# Altium PCB Flow_Pump.PcbDoc (part 4 of 5) (continued)
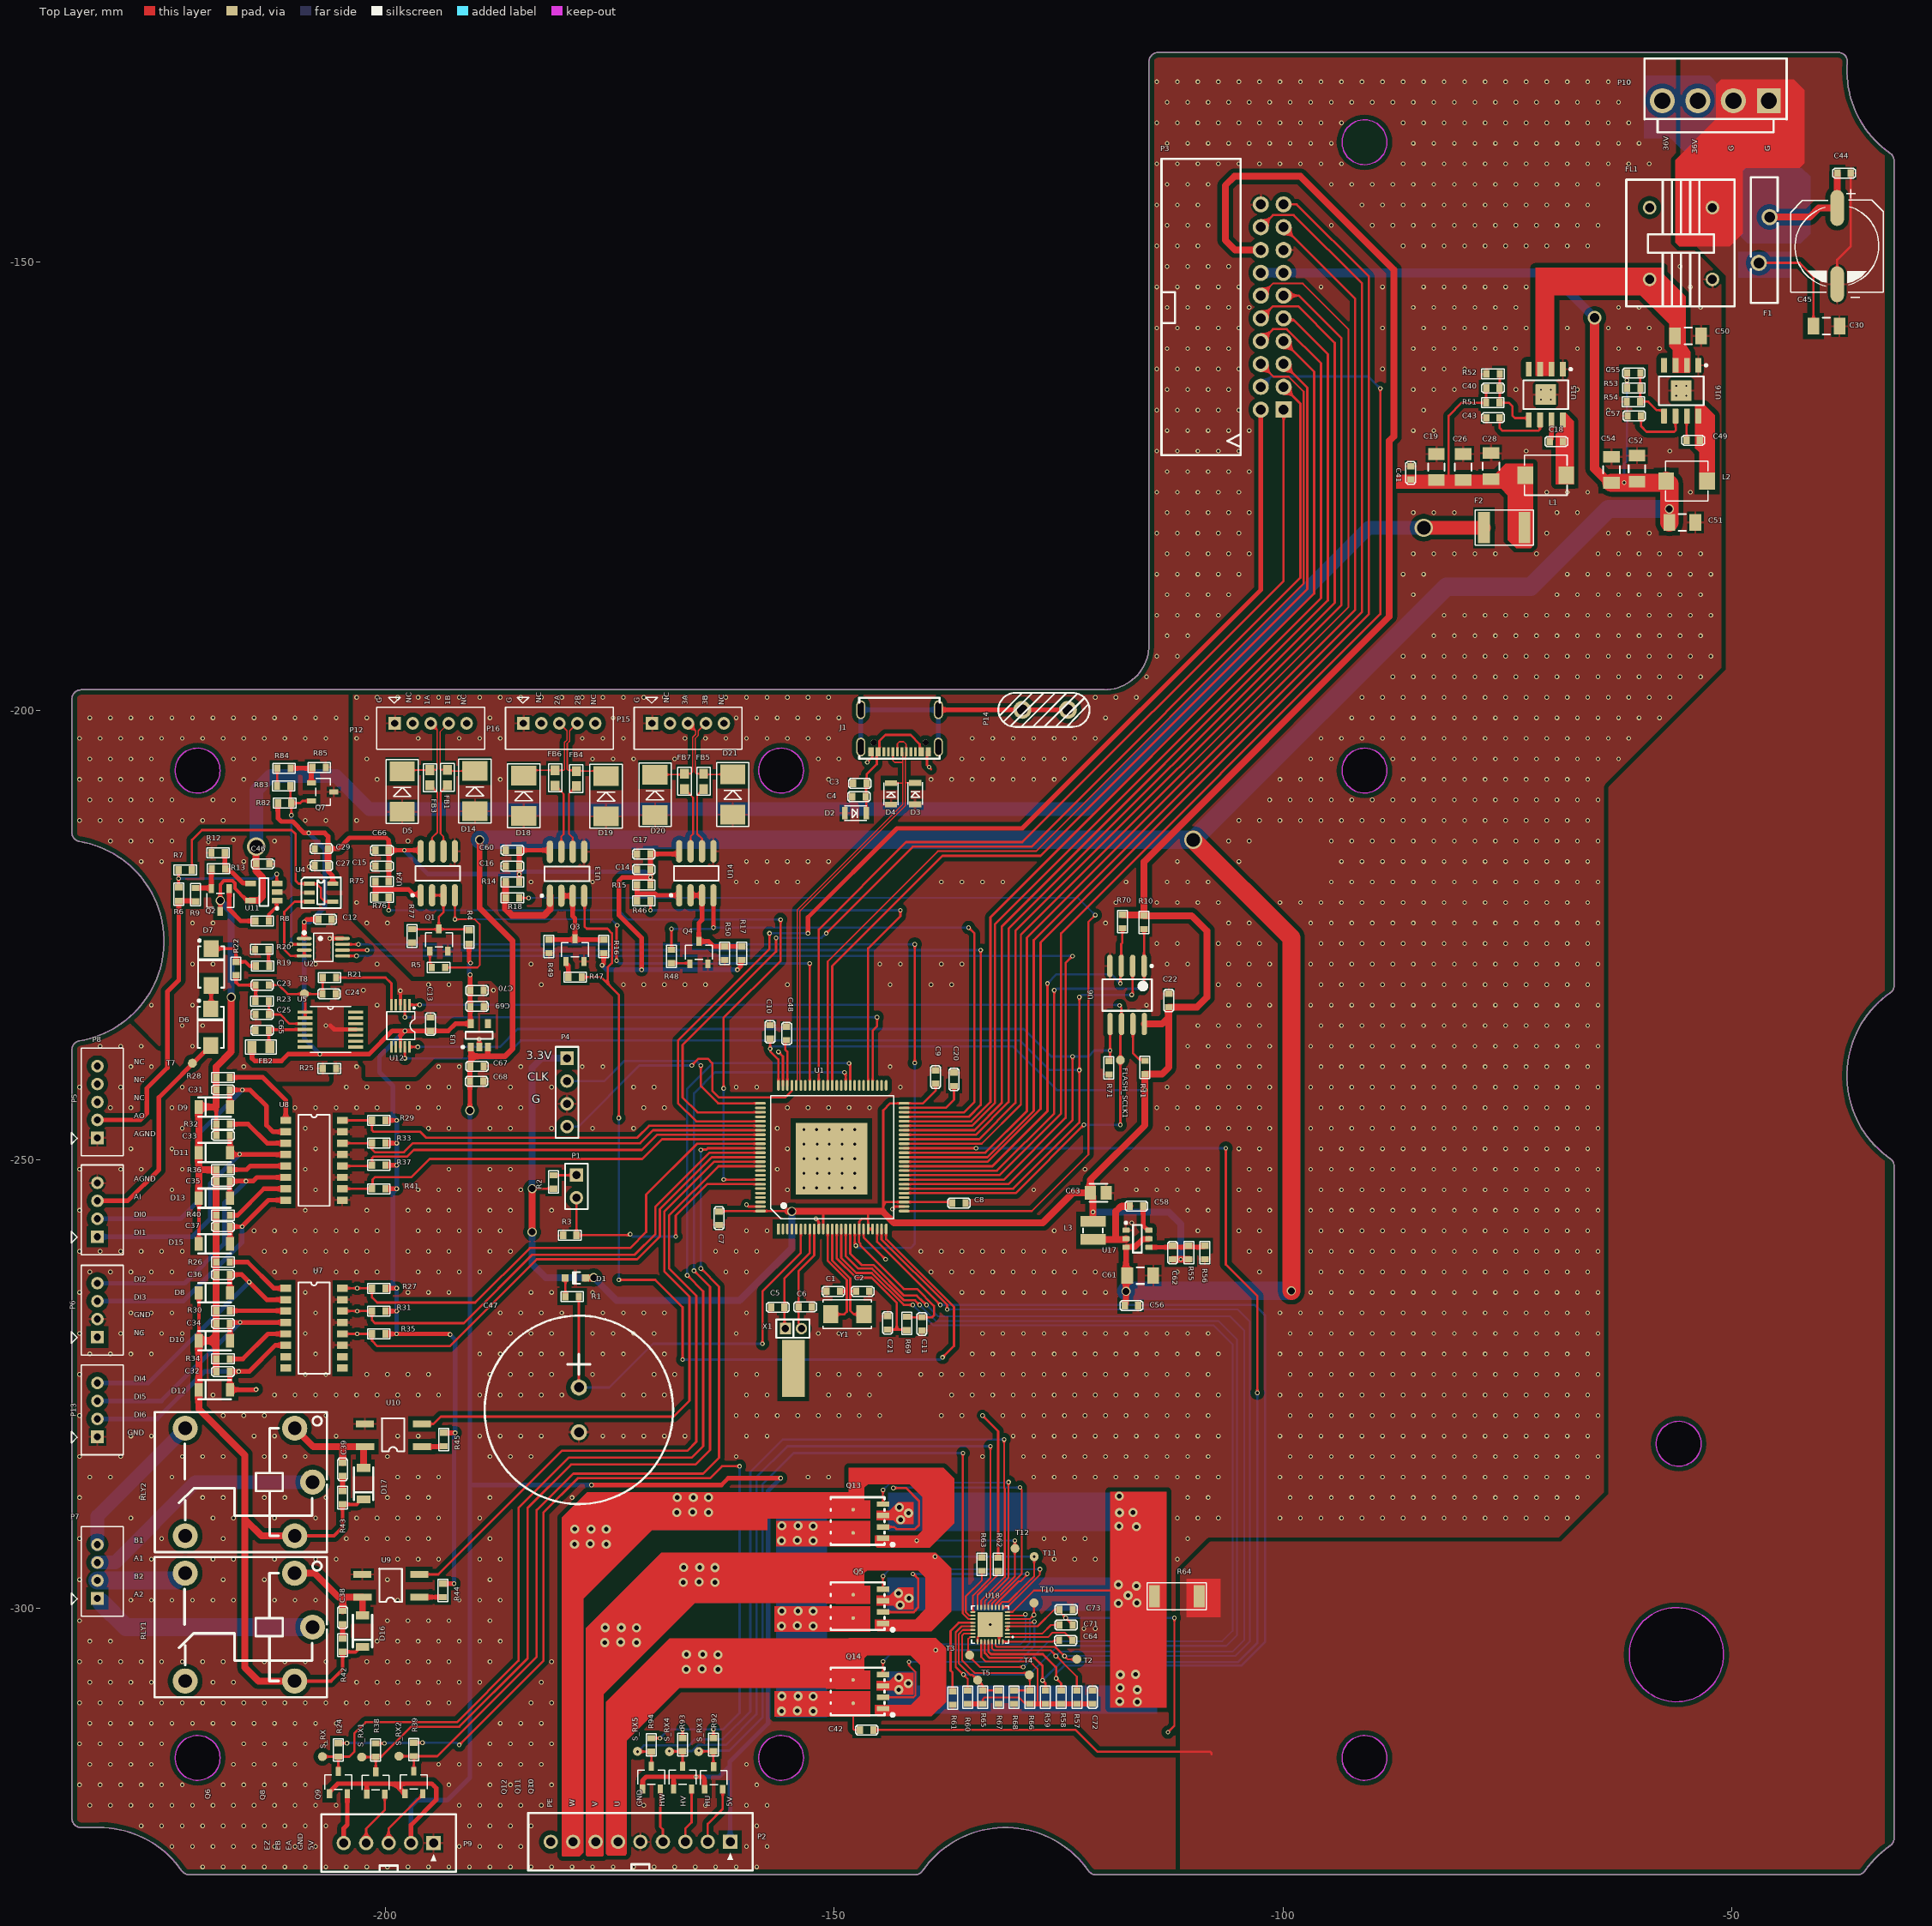
[diagram p0: Top Layer view]
## Nets (pads, with @x,y where several pads share a name; then routed paths per layer and width w, separated by ;. In a path a pad name is that pad's centre, name@x,y a point inside that pad or via, vN(x,y) a via of type N, cw(c..) or ccw(c..) an arc to the next point about the centre after c; other vN are vias at no path point) (continued)
NetR62_1: R62.1 U18.18 | length 6.3
  Top Layer w0.203: U18.18@-134.531,-300.801 -134.956,-300.801 -135.331,-300.426 -135.331,-298.653 -133.528,-296.85 R62.1@-133.528,-295.834
NetR63_1: R63.1 U18.16 | length 4.9
  Top Layer w0.203: U18.16@-134.013,-299.883 -134.013,-298.513 -131.895,-296.395 -131.895,-295.955 R63.1@-131.799,-295.859
NetR75_1: R75.1 R76.1 U24.1 | length 7.1
  Top Layer w0.508: R76.1@-201.119,-220.777 -201.119,-219.905 ; R75.1@-201.119,-219.033 -201.119,-219.905 ; U24.1@-196.063,-220.56 -196.063,-220.534 -196.151,-220.445 -196.877,-220.445 -197.417,-219.905 -201.119,-219.905
NetR83_2: R83.2 R84.1 | length 2
  Top Layer w0.254: R83.2@-212.065,-208.382 -212.041,-208.358 R84.1@-212.041,-206.4
op_3.3v: C65.1 FB2.2 U5.4 | length 6
  Top Layer w0.33: FB2.2@-212.859,-237.465 -212.978,-237.346 C65.1@-212.978,-235.61 -212.877,-235.509 U5.4@-208.924,-235.509
osc_in: C5.1 U1.8 X1.2 | length 12.3
  Top Layer w0.254: X1.2@-155.423,-268.834 -155.524,-268.732 C5.1@-155.524,-266.446 -155.524,-263.22 -152.71,-260.406 U1.8@-152.71,-257.734
osc_out: C6.1 U1.9 X1.1 | length 12
  Top Layer w0.254: X1.1@-153.645,-268.834 -153.645,-268.559 -153.975,-268.228 C6.1@-153.975,-266.421 -153.975,-262.433 -152.21,-260.668 U1.9@-152.21,-257.734
PWM: R59.1 U1.40 U18.27 | length 129.2
  Top Layer w0.254: U1.40@-142.21,-248.734 v1(-134.18,-248.734) ; U18.27@-133.213,-303.718 -133.213,-304.962 -132.664,-305.511 -127.66,-305.511 -126.78,-306.392 v1(-126.78,-308.026) -126.45,-308.356 R59.1@-126.45,-309.142 ; v1(-106.358,-248.734) -106.358,-261.688 -102.845,-265.201 v1(-102.845,-275.994)
  Bottom Layer w0.254: v1(-134.18,-248.734) v1(-106.358,-248.734) ; v1(-126.78,-308.026) -124.748,-305.994 -105.004,-305.994 -102.845,-303.835 v1(-102.845,-275.994)
relay_A1: P7.3 RLY2.5 | length 27.7
  Bottom Layer w1.524: P7.3@-232.08,-294.891 -230.121,-294.891 -221.158,-285.928 RLY2.5@-208.089,-285.928
relay_A2: P7.1 RLY1.5 | length 24.7
  Bottom Layer w2.032: P7.1@-231.678,-299.293 -228.883,-302.087 RLY1.5@-208.1,-302.087
relay_B1: P7.4 RLY2.2 | length 17
  Bottom Layer w1.524: P7.4@-232.08,-292.891 -232.08,-289.719 RLY2.2@-222.289,-279.928
relay_B2: P7.2 RLY1.2 | length 10.1
  Bottom Layer w2.032: P7.2@-232.08,-296.891 -223.31,-296.891 -222.507,-296.088 RLY1.2@-222.301,-296.088
RESX: P3.17 U1.39 | length 132.5
  Top Layer w0.254: U1.39@-142.21,-249.234 -134.398,-249.234 -134.39,-249.242 -133.969,-249.242 -133.961,-249.234 -133.156,-249.234 -128.524,-244.602 -128.524,-225.298 -91.948,-188.722 -91.948,-154.102 P3.17@-99.924,-146.126
rs4851_N: D5.2 FB3.2 P12.3 | length 9.4
  Top Layer w0.152: D5.2@-198.12,-206.756 -197.968,-206.604 FB3.2@-195.021,-206.604 -194.996,-206.578 -194.303,-206.578 -194.214,-206.489 -194.214,-202.128 P12.3@-194.945,-201.397
rs4851_P: D14.2 FB1.2 P12.4 | length 9.5
  Top Layer w0.152: P12.4@-192.945,-201.397 -193.909,-202.36 -193.909,-206.489 -193.82,-206.578 FB1.2@-193.091,-206.578 -192.964,-206.705 D14.2@-190.017,-206.705
rs4852_N: D18.2 FB6.2 P16.3 | length 10.4
  Top Layer w0.152: D18.2@-184.582,-207.213 -183.998,-206.629 FB6.2@-181.077,-206.629 -180.121,-206.629 -180.032,-206.54 -180.032,-203.517 -179.766,-203.251 -179.766,-202.244 P16.3@-180.613,-201.397
rs4852_P: D19.2 FB4.2 P16.4 | length 10.2
  Top Layer w0.152: P16.4@-178.613,-201.397 -179.461,-202.244 -179.461,-203.377 -179.727,-203.643 -179.727,-206.54 -179.638,-206.629 -178.791,-206.629 FB4.2@-178.714,-206.705 -175.971,-206.705 D19.2@-175.412,-207.264
rs4853_N: D20.2 FB7.2 P15.3 | length 10.2
  Top Layer w0.152: D20.2@-169.951,-207.107 -166.772,-207.107 FB7.2@-166.675,-207.01 -165.989,-207.01 -165.76,-206.781 -165.76,-202.942 -165.434,-202.616 -165.434,-202.244 P15.3@-166.282,-201.397
rs4853_P: D21.2 FB5.2 P15.4 | length 10.2
  Top Layer w0.152: P15.4@-164.282,-201.397 -165.129,-202.244 -165.129,-202.742 -165.456,-203.068 -165.456,-206.883 -165.329,-207.01 FB5.2@-164.541,-207.01 -164.465,-207.086 D21.2@-161.29,-207.086
RTN: C30.2 C42.2 C44.2 C45.2 FL1.4 P10.1 P10.2 R64.1 | length 51.9
  Top Layer w0.254: C42.2@-145.617,-313.538 -123.088,-313.538 -120.65,-315.976 -108.099,-315.976 -107.95,-316.125 -107.95,-316.23 ; C45.2@-38.252,-152.484 -38.252,-149.758 -36.728,-148.234 C44.2@-36.728,-140.106
RUN: P3.10 U1.43 | length 123.3
  Top Layer w0.254: U1.43@-142.21,-247.234 -134.209,-247.234 -130.556,-243.581 -130.556,-224.282 -94.234,-187.96 -94.234,-159.004 -98.298,-154.94 -101.117,-154.94 P3.10@-102.464,-156.286
SCL: P3.3 U1.78 | length 128.5
  Top Layer w0.254: U1.78@-158.21,-244.734 -165.222,-244.734 -166.878,-243.078 -166.878,-237.236 -156.464,-226.822 v1(-156.464,-225.298) ; v1(-150.876,-224.79) -141.224,-215.138 -128.016,-215.138 -98.044,-185.166 -98.044,-165.786 P3.3@-99.924,-163.906
  Bottom Layer w0.254: v1(-156.464,-225.298) -151.384,-225.298 v1(-150.876,-224.79)
SCLK_AO: U1.47 U2.6 | length 97.4
  Top Layer w0.254: U2.6@-204.777,-226.665 v1(-202.027,-226.665) ; U1.47@-142.21,-245.234 -134.998,-245.234 -133.673,-243.909 v1(-133.673,-226.665)
  Bottom Layer w0.254: v1(-202.027,-226.665) v1(-133.673,-226.665)
SDA: P3.2 U1.80 | length 124.9
  Top Layer w0.254: U1.80@-158.21,-245.734 -165.354,-245.734 -167.386,-243.702 -167.386,-236.728 -157.195,-226.537 v1(-157.195,-224.79)
  Top Layer w0.508: v1(-152.908,-224.79) -152.908,-223.012 -143.002,-213.106 -129.032,-213.106 -102.464,-186.538 P3.2@-102.464,-166.446
  Bottom Layer w0.254: v1(-157.195,-224.79) v1(-152.908,-224.79)
SIOUT0: P8.2 R6.2 R9.2 | length 32.9
  Top Layer w0.508: P8.2@-232.08,-245.583 -227.295,-245.583 -226.568,-244.856 -226.568,-242.062 -224.282,-239.776 -224.282,-231.29 -223.012,-230.02 R6.2@-223.012,-221.183 -221.185,-221.183 R9.2@-221.132,-221.235
SW1: P3.8 U1.45 | length 117.5
  Top Layer w0.254: U1.45@-142.21,-246.234 -134.628,-246.234 -132.08,-243.686 -132.08,-223.774 -95.758,-187.452 -95.758,-161.29 -99.568,-157.48 -101.117,-157.48 P3.8@-102.464,-158.826
SW2: P3.9 U1.44 | length 117.2
  Top Layer w0.254: U1.44@-142.21,-246.734 -134.367,-246.734 -131.318,-243.685 -131.318,-224.028 -94.996,-187.706 -94.996,-160.274 -98.802,-156.468 -99.742,-156.468 P3.9@-99.924,-156.286
SWCLK: P4.2 U1.76 | length 25.8
  Top Layer w0.254: v2(-164.846,-239.522) -164.846,-241.808 -162.92,-243.734 U1.76@-158.21,-243.734
  Bottom Layer w0.254: P4.2@-179.756,-241.249 -175.595,-241.249 -173.36,-239.014 -165.354,-239.014 v2(-164.846,-239.522)
SWD: P4.4 U1.72 | length 32.7
  Top Layer w0.254: v2(-165.862,-239.522) -165.1,-238.76 -164.084,-238.76 -163.576,-239.268 -163.576,-242.316 -162.814,-243.078 -155.448,-243.078 -154.719,-242.349 -154.719,-241.743 U1.72@-154.71,-241.734
  Bottom Layer w0.254: P4.4@-179.756,-246.329 -178.511,-246.329 -171.704,-239.522 v2(-165.862,-239.522)
TE: P3.18 U1.38 | length 138.9
  Top Layer w0.254: U1.38@-142.21,-249.734 -132.925,-249.734 -127.762,-244.571 -127.762,-225.552 -91.186,-188.976 -91.186,-152.4 -98.806,-144.78 -101.117,-144.78 P3.18@-102.464,-146.126
USB_N: D3.2 J1.A7 J1.B7 U1.70 | length 46.2
  Top Layer w0.152: U1.70@-153.71,-241.734 -153.71,-241.244 -153.808,-241.146 -153.808,-222.311 -142.781,-211.284 -142.777,-211.284 -142.048,-210.555 -142.048,-208.079 ; J1.A7@-142.95,-204.572 -142.95,-203.656 -142.748,-203.454 -142.24,-203.454 -141.986,-203.708 -141.986,-204.536 J1.B7@-141.95,-204.572 -142.024,-204.645 -142.024,-205.061 -142.048,-205.085 -142.048,-208.079 ; D3.2@-140.97,-208.026 -141.995,-208.026 -142.048,-208.079
USB_P: D4.2 J1.A6 J1.B6 U1.71 | length 45.6
  Top Layer w0.152: U1.71@-154.21,-241.734 -154.21,-241.244 -154.112,-241.146 -154.112,-222.184 -142.908,-210.98 -142.903,-210.98 -142.353,-210.429 -142.353,-208.061 ; D4.2@-143.662,-208.051 -142.363,-208.051 -142.353,-208.061 ; J1.B6@-143.45,-204.572 -143.45,-205.546 -143.256,-205.74 -142.453,-205.74 -142.353,-205.84 ; J1.A6@-142.45,-204.572 -142.377,-204.645 -142.377,-205.061 -142.353,-205.085 -142.353,-205.84 ; -142.353,-208.061 -142.353,-205.84
VCC_3.3V_F: C72.1 R57.2 R58.2 R59.2 R60.2 R65.1 R66.1 U18.26 | length 27.2
  Top Layer w0.203: U18.26@-133.613,-303.718 -133.613,-305.426 -133.121,-305.918 -128.174,-305.918 -127.346,-306.746 -127.346,-310.619 -127.323,-310.642 ; R65.1@-133.437,-310.642 -133.424,-310.628 -133.424,-310.106 -133.248,-309.931 -129.413,-309.931 -128.807,-310.536 -128.302,-310.536 R66.1@-128.197,-310.642
  Top Layer w0.508: R60.2@-135.128,-310.643 -133.439,-310.643 R65.1@-133.437,-310.642 ; R66.1@-128.197,-310.642 -127.323,-310.642 R59.2@-126.45,-310.642 R58.2@-124.703,-310.642 R57.2@-122.956,-310.642 C72.1@-121.209,-310.642
VCC_5V: C51.1 C52.1 C54.1 C55.1 C56.1 C61.1 C67.1 C68.1 L2.2 P2.1 P3.13 P3.14 P9.2 Q6.1 Q8.1 Q9.1 Q10.1 Q11.1 Q12.1 R53.2 U3.1 U3.3 U17.3 U17.5 | length 552.5
  Top Layer w0.254: R53.2@-61.671,-164.033 v2(-61.671,-163.195) C55.1@-61.671,-162.357
  Top Layer w0.508: Q6.1@-206.232,-320.666 -206.232,-320.466 -205.298,-319.532 -202.116,-319.532 ; Q8.1@-202.067,-320.717 -202.067,-319.581 -202.116,-319.532 ; Q9.1@-197.825,-320.641 -197.825,-320.441 -197.871,-320.395 -198.071,-320.395 -198.934,-319.532 ; P9.2@-197.133,-326.145 -197.133,-324.133 -194.31,-321.31 -194.31,-320.04 -194.565,-319.785 -194.818,-319.532 -198.934,-319.532 ; v4(-190.576,-244.526) C68.1@-190.576,-241.3 -190.564,-241.287 -190.564,-239.611 C67.1@-190.551,-239.598 -190.485,-239.532 -190.485,-238.497 U3.1@-190.485,-237.463 ; U3.3@-188.585,-237.463 -188.585,-238.496 -188.583,-238.497 ; v2(-177.038,-286.258) -162.56,-286.258 -161.798,-285.496 v2(-155.956,-285.496) ; Q12.1@-171.36,-320.107 -171.314,-320.061 -171.314,-319.142 -170.942,-318.77 -167.789,-318.77 ; Q11.1@-167.878,-320.107 -167.878,-318.859 -167.789,-318.77 ; Q10.1@-164.414,-320.147 -164.46,-320.101 -164.46,-318.945 -164.636,-318.77 v2(-165.378,-318.77) -167.789,-318.77 ; -202.116,-319.532 -198.934,-319.532
  Top Layer w0.635: -190.485,-238.497 -188.583,-238.497 -186.681,-238.497 -185.814,-237.63 -185.814,-225.664 -189.484,-221.994 v4(-189.484,-214.376) ; U3.1@-190.485,-237.463 U3.1@-190.472,-237.45 ; C56.1@-117.624,-266.277 -117.624,-266.202 -117.48,-266.058 U17.3@-117.48,-259.769 -117.438,-259.727 -116.471,-259.727 -115.606,-258.862 -114.973,-258.862 U17.5@-114.93,-258.819
  Top Layer w1.016: v7(-65.278,-156.21) -65.278,-172.997 -63.673,-174.602 C54.1@-63.398,-174.602
  Top Layer w2.032: v6(-109.982,-214.376) -99.06,-225.298 v4(-99.06,-264.624) ; C54.1@-63.398,-174.602 -57.5,-174.602 L2.2@-57.294,-174.396 -56.949,-174.742 v4(-56.949,-177.516) C51.1@-56.949,-179.019
  Bottom Layer w0.254: v2@-62.012,-174.602 v2(-61.976,-174.566) -61.976,-172.466 -61.671,-172.161 v2(-61.671,-163.195)
  Bottom Layer w0.508: P9.2@-197.133,-326.145 -197.133,-322.05 -196.463,-321.38 -193.11,-321.38 -190.576,-318.846 -190.576,-286.281 ; v4(-190.576,-244.526) -190.576,-286.281 ; v2(-177.038,-286.258) -190.553,-286.258 -190.576,-286.281 ; v2(-165.378,-318.77) -162.814,-318.77 -161.623,-317.579 ; P2.1@-161.577,-326.009 -161.577,-321.316 -161.623,-321.27 -161.623,-317.579 ; v2(-155.956,-285.496) -157.353,-286.893 -157.353,-312.801 -161.623,-317.071 -161.623,-317.579
  Bottom Layer w1.016: P3.14@-102.464,-151.206 P3.13@-99.924,-151.206 -70.282,-151.206 v7@-65.786,-155.702
  Bottom Layer w2.032: v4(-189.484,-214.376) v6(-109.982,-214.376) -81.788,-186.182 -72.39,-186.182 -63.724,-177.516 v4(-56.949,-177.516) ; v4(-117.48,-264.679) -117.426,-264.624 v4(-99.06,-264.624)
VCC_36V: C50.1 FL1.2 U15.2 U15.3 U16.2 U16.3
VCC_36V_F: C30.1 C42.1 C71.2 C73.1 F1.2 FL1.1 Q5.6 Q13.6 Q14.6 U18.3 U18.4 | length 50.4
  Top Layer w0.203: Q14.6@-147.879,-310.566 -147.879,-313.436 -147.777,-313.538 C42.1@-147.117,-313.538 ; U18.3@-130.696,-302.401 U18.4@-130.696,-302.001 -127.326,-302.001 -125.45,-300.124 C73.1@-124.917,-300.124 -124.669,-300.373 -124.669,-300.6 v1(-124.205,-301.064) -123.74,-301.528 -123.665,-301.528 -123.417,-301.777 C71.2@-123.417,-301.852 ; v1(-112.801,-313.792) -112.093,-313.083 v1(-112.093,-301.064)
  Top Layer w0.254: F1.2@-46.98,-150.099 -42.433,-150.099 -40.896,-151.636 C30.1@-40.896,-157.15
  Bottom Layer w0.203: v1(-124.205,-301.064) v1(-112.093,-301.064)
  other v3: -155.854,-311.455 -152.324,-311.455 -154.102,-311.404 -152.324,-309.804 -155.829,-309.778 -154.026,-309.778 -155.854,-301.968 -152.324,-301.968 -154.102,-301.917 -155.829,-300.291 -154.026,-300.291 -152.324,-300.317 -155.854,-292.481 -152.324,-292.481 -154.102,-292.43 -152.324,-290.83 -155.829,-290.805 -154.026,-290.805
VCC_36V_IN: C44.1 C45.1 F1.1 P10.3 P10.4 | length 11.8
  Top Layer w0.762: F1.1@-45.78,-144.999 -41.311,-144.999 -40.296,-143.984 C45.1@-38.252,-143.984 -38.24,-143.972 -38.24,-140.118 C44.1@-38.228,-140.106
VCC_MCU_3.3V: R24.1 R38.1 R39.1 R92.1 R93.1 R94.1 | length 109.7
  Top Layer w0.254: R24.1@-205.232,-315.015 v2(-204.271,-315.015) ; R38.1@-201.067,-315.042 v2(-200.106,-315.042) ; R39.1@-196.825,-314.966 v2(-195.864,-314.966) ; v2(-191.77,-315.214) -182.372,-305.816 -182.372,-289.306 -178.562,-285.496 -163.83,-285.496 -162.499,-284.165 v2(-160.528,-284.165) ; R94.1@-170.36,-314.456 v2(-169.4,-314.456) ; R93.1@-166.878,-314.432 v2(-166.878,-313.472) ; R92.1@-163.453,-314.432 v2(-163.453,-313.472)
  Bottom Layer w0.254: v2(-204.271,-315.015) -204.247,-314.991 -195.889,-314.991 v2(-195.864,-314.966) -192.087,-314.966 -191.839,-315.214 v2(-191.77,-315.214) ; v2(-169.4,-314.456) -168.415,-313.472 v2(-166.878,-313.472) v2(-163.453,-313.472) -162.342,-313.472 -160.528,-311.658 v2(-160.528,-284.165) v2@-160.501,-284.138
VDS: R66.2 R68.1 T4.1 U18.23 | length 15.7
  Top Layer w0.203: U18.23@-134.531,-302.801 -135.527,-302.801 -135.738,-303.011 -135.738,-305.803 -134.455,-307.086 -134.444,-307.086 -134.342,-307.188 -128.689,-307.188 -128.46,-307.416 T4.1@-128.245,-307.416 ; R68.1@-129.944,-309.142 R66.2@-128.197,-309.142 T4.1@-128.197,-307.416
VFB: U2.3 U2.4 U4.3 | length 10.6
  Top Layer w0.254: U2.3@-209.039,-226.665 U2.4@-209.039,-227.315 -210.556,-227.315 -211.252,-226.619 -211.252,-222.402 -210.118,-221.269 U4.3@-208.462,-221.269
VUSB: C3.2 C4.2 D2.2 J1.A4 J1.A9 J1.B4 J1.B9 | length 15.2
  Top Layer w0.254: D2.2@-146.406,-211.404 -146.406,-209.149 -146.43,-209.125 -146.43,-208.153 C3.2@-146.379,-208.102 -146.379,-207.085 -145.25,-205.956 J1.B4@-145.25,-204.572 J1.A9@-144.95,-204.572 -144.95,-203.37 -144.272,-202.692 -141.478,-202.692 -140.45,-203.72 J1.A4@-140.45,-204.572 J1.B9@-140.15,-204.572
WARN: P3.11 U1.42 | length 122.7
  Top Layer w0.254: U1.42@-142.21,-247.734 -133.837,-247.734 -129.794,-243.691 -129.794,-224.536 -93.472,-188.214 -93.472,-158.496 -98.222,-153.746 P3.11@-99.924,-153.746
pads on no net: C19.0 C26.0 C28.0 C30.0 C50.0 C51.0 C52.0 C54.0 C61.0 C63.0 J1.2 J1.A5 J1.A8 J1.B5 J1.B8 P6.1 P8.3 P8.4 P8.5 P12.2 P12.5 P15.2 P15.5 P16.2 P16.5 RLY1.3 RLY2.3 U1.1 U1.2 U1.3 U1.4 U1.5 U1.7 U1.29 U1.51 U1.52 U1.53 U1.56 U1.57 U1.58 U1.61 U1.62 U1.65 U1.67 U1.69 U1.77 U1.79 U1.91 U1.92 U1.95 U1.96 U1.97 U1.98 U1.101 U3.4 U5.5 U5.6 U5.7 U5.8 U5.9 U5.10 U5.12 U5.13 U5.14 U7.7 U7.8 U7.9 U7.10 U12.4 U12.6 U12.7 U15.4 U16.4 X1.3
copper on no net:
  other v2: -153.365,-253.162 -151.949,-253.162 -150.533,-253.162 -149.117,-253.162 -147.701,-253.162 -153.365,-251.536 -151.892,-251.536 -150.546,-251.536 -149.098,-251.536 -147.701,-251.536 -153.365,-249.911 -151.892,-249.911 -150.546,-249.911 -149.098,-249.911 -147.701,-249.911 -153.365,-248.285 -151.892,-248.285 -150.546,-248.285 -149.098,-248.285 -147.701,-248.285 -153.365,-246.659 -151.949,-246.659 -150.533,-246.659 -149.117,-246.659 -147.701,-246.659

## Polygon pours and split planes (outlines as drawn)
GND on Bottom Layer "GND_L02_P005" (solid, remove dead copper, pour order 5): -271.323,-103.48 -251.257,-123.546 7.823,-123.546 7.823,-332.08 -31.293,-371.196 -39.675,-362.814 -249.479,-362.814 -249.479,-122.53 -255.067,-116.942
VCC_36V_F on Bottom Layer "VCC_36V_F_L02_P000" (solid, remove dead copper, pour order 0): -156.51,-307.569 -148.514,-307.569 -145.872,-310.21 -145.872,-312.623 -70.409,-312.623 -64.059,-306.273 -64.059,-208.813 -48.438,-193.192 -48.438,-154.33 -50.419,-152.349 -50.419,-151.968 -53.543,-148.844 -62.56,-148.844 -63.576,-147.828 -63.576,-141.808 -62.509,-140.741 -56.515,-140.741 -54.051,-143.205 -54.051,-144.856 -53.213,-144.856 -49.632,-148.438 -43.536,-148.438 -33.299,-158.674 -33.299,-169.52 -33.299,-325.044 -41.224,-332.969 -154,-332.969 -156.51,-330.458
ISO_GND on Bottom Layer "ISO_GND_L02_P003" (solid, remove dead copper, pour order 3): -236.474,-196.342 -235.145,-197.671 -204.107,-197.671 -204.107,-223.098 -197.08,-230.124 -188.214,-230.124 -187.452,-230.886 -187.452,-238.522 -187.647,-238.717 -194.521,-238.717 -196.596,-240.792 -202.184,-240.792 -202.184,-239.522 -203.2,-238.506 -205.44,-238.506 -206.248,-239.314 -206.248,-241.3 -221.234,-241.3 -236.22,-226.314 -236.22,-197.104
GND on Top Layer "GND_L01_P004" (solid, remove dead copper, pour order 4): -271.018,-103.632 -250.952,-123.698 8.128,-123.698 8.128,-332.232 -30.988,-371.348 -39.37,-362.966 -249.174,-362.966 -249.174,-122.682 -254.762,-117.094
RTN on Top Layer "RTN_L01_P001" (solid, remove dead copper, pour order 1): -55.702,-124.968 -32.969,-124.968 -32.969,-336.779 -38.252,-342.062 -45.872,-334.442 -107.544,-334.442 -111.455,-338.353 -111.455,-295.91 -108.128,-292.583 -69.037,-292.583 -63.729,-287.274 -63.729,-208.509 -50.622,-195.402 -50.622,-151.536 -53.924,-148.234 -55.829,-148.234 -55.829,-144.577 -55.702,-144.45
ISO_GND on Top Layer "ISO_GND_L01_P002" (solid, remove dead copper, pour order 2): -236.474,-196.342 -235.145,-197.671 -204.107,-197.671 -204.107,-223.098 -197.08,-230.124 -188.214,-230.124 -187.452,-230.886 -187.452,-238.522 -187.647,-238.717 -194.521,-238.717 -196.596,-240.792 -202.184,-240.792 -202.184,-239.522 -203.2,-238.506 -205.44,-238.506 -206.248,-239.314 -206.248,-241.3 -221.234,-241.3 -236.22,-226.314 -236.22,-197.104

## Keep-outs
Keep-Out Layer:
  circle w0.127: c-56.159,-305.159 r5.25
  circle w0.127: c-90.909,-316.659 r2.5
  circle w0.127: c-90.909,-206.659 r2.5
  circle w0.127: c-220.909,-316.659 r2.5
  circle w0.127: c-55.909,-281.659 r2.5
  circle w0.127: c-90.909,-136.659 r2.5
  circle w0.127: c-155.909,-316.659 r2.5
  circle w0.127: c-220.909,-206.659 r2.5
  circle w0.127: c-155.909,-206.659 r2.5
  lines w0.127: -234.909,-323.409 ccw(c-233.909,-323.409) -233.909,-324.409 -231.909,-324.409 cw(c-231.909,-335.659) -222.676,-329.23 ccw(c-221.856,-328.659) -221.856,-329.659 -140.962,-329.659 ccw(c-140.962,-328.659) -140.141,-329.23 cw(c-130.909,-335.659) -121.676,-329.23 ccw(c-120.856,-328.659) -120.856,-329.659 -35.962,-329.659 ccw(c-35.962,-328.659) -35.141,-329.23 cw(c-25.909,-335.659) -32.337,-326.426 ccw(c-32.909,-325.606) -31.909,-325.606 -31.909,-250.712 ccw(c-32.909,-250.712) -32.337,-249.891 cw(c-25.909,-240.659) -32.337,-231.426 ccw(c-32.909,-230.606) -31.909,-230.606 -31.909,-138.712 ccw(c-32.909,-138.712) -32.337,-137.891 cw(c-25.909,-128.659) -37.121,-127.74 ccw(c-38.118,-127.659) -38.118,-126.659 -113.912,-126.659 ccw(c-113.912,-127.659) -114.912,-127.659 -114.912,-192.659 cw(c-119.912,-192.659) -119.912,-197.659 -233.909,-197.659 ccw(c-233.909,-198.659) -234.909,-198.659 -234.909,-213.573 ccw(c-233.909,-213.573) -234.072,-214.56 cw(c-235.909,-225.659) -234.072,-236.758 ccw(c-233.909,-237.744) -234.909,-237.744 -234.909,-323.409

## Other copper
Top Layer:
  rectangle net RTN: -110.744,-300.99 -106.934,-296.672
  rectangle net VCC_36V: -71.882,-153.726 -57.678,-150.622
  rectangle net VCC_36V: -71.882,-162.721 -69.754,-150.622
  rectangle net GSC: -170.561,-291.287 -157.404,-288.442
  rectangle net ISEN: -119.278,-311.074 -112.928,-286.995
  rectangle net VCC_36V_F: -156.667,-312.09 -145.974,-309.22
  rectangle net VCC_36V_F: -156.667,-302.603 -145.974,-299.733
  rectangle net VCC_36V_F: -156.489,-293.116 -145.974,-290.246
  region net GSB: -175.768,-327.609 -175.692,-327.533 -175.692,-309.55 -165.532,-299.39 -146.685,-299.39 -146.685,-293.802 -169.24,-293.802 -177.673,-302.235 -177.673,-327.457 -177.521,-327.609 -177.419,-327.609
  region net GSB: -145.466,-301.257 -145.466,-302.247 -145.186,-302.527 -139.141,-302.527 -136.957,-300.342 -136.957,-295.516 -138.659,-293.815 -148.361,-293.815 -148.361,-298.098 -148.047,-298.412 -146.761,-298.412 -146.634,-298.285 -146.634,-296.05 -146.329,-295.745 -140.652,-295.745 -139.802,-296.596 -139.802,-300.076 -140.983,-301.257
  region net NetC19_1: -87.376,-173.736 -76.454,-173.736 -75.184,-172.466 -72.136,-172.466 -72.136,-181.61 -72.39,-181.864 -74.019,-181.864 -74.93,-180.953 -74.93,-176.022 -75.692,-175.26 -87.376,-175.26
  region net NetC18_2: -69.119,-166.784 -68.518,-166.784 -67.574,-167.729 -67.574,-174.721 -67.604,-174.752 -69.596,-174.752 -69.596,-169.164 -69.134,-168.702 -69.134,-166.798
  region net NetC49_2: -53.01,-165.938 -51.876,-167.072 -51.876,-175.356 -53.6,-175.356 -53.6,-171.19 -54.102,-170.688 -54.055,-170.641 -54.055,-165.938
  region net VCC_36V: -54.61,-160.02 -54.61,-162.253 -54.68,-162.324 -56.572,-162.324 -56.572,-159.836 -56.964,-159.444 -56.964,-156.904 -60.706,-153.162 -60.706,-150.876
  region net VCC_36V: -60.706,-150.876 -58.09,-150.876 -55.118,-153.848 -55.118,-159.512 -54.61,-160.02
  region net RTN: -51.156,-129.667 -43.104,-129.667 -41.91,-130.861 -41.91,-138.989 -42.443,-139.522 -48.463,-139.522 -48.793,-139.852 -48.793,-146.812 -50.216,-148.234 -55.829,-148.234 -56.261,-147.803 -56.261,-138.633 -51.714,-134.087 -51.714,-130.226
  region net ISEN: -145.263,-308.077 -143.815,-308.077 -142.9,-307.162 -141.173,-307.162 -141.173,-309.601 -142.959,-309.601 -143.416,-309.143 -145.263,-309.143
  region net ISEN: -145.263,-298.59 -143.815,-298.59 -142.9,-297.675 -141.173,-297.675 -141.173,-300.114 -142.959,-300.114 -143.416,-299.656 -145.263,-299.656
  region net ISEN: -145.263,-289.103 -143.815,-289.103 -142.9,-288.188 -141.173,-288.188 -141.173,-290.627 -142.959,-290.627 -143.416,-290.17 -145.263,-290.17
  region net GSC: -145.466,-291.897 -145.466,-293.014 -145.237,-293.243 -139.344,-293.243 -136.601,-290.5 -136.601,-285.547 -137.82,-284.328 -148.361,-284.328 -148.361,-288.611 -148.047,-288.925 -146.761,-288.925 -146.634,-288.798 -146.634,-286.563 -146.228,-286.156 -141.58,-286.156 -140.147,-287.589 -140.147,-291.303 -140.741,-291.897
  region net GSA: -145.466,-310.744 -145.466,-311.734 -145.186,-312.014 -139.141,-312.014 -137.541,-310.413 -137.541,-304.419 -138.659,-303.301 -148.361,-303.301 -148.361,-307.585 -148.047,-307.899 -146.761,-307.899 -146.634,-307.772 -146.634,-305.537 -146.329,-305.232 -141.478,-305.232 -140.411,-306.299 -140.411,-309.728 -141.427,-310.744
  region net GSA: -175.235,-327.508 -173.253,-327.508 -173.101,-327.355 -173.101,-314.706 -167.259,-308.864 -147.701,-308.864 -147.701,-303.378 -168.351,-303.378 -175.387,-310.413 -175.387,-327.355
  region net GSC: -178.359,-327.635 -177.927,-327.203 -177.927,-298.907 -168.986,-289.966 -146.812,-289.966 -146.634,-289.789 -146.634,-287.071 -177.521,-287.071 -180.315,-289.865 -180.315,-327.558 -180.238,-327.635
Bottom Layer:
  rectangle net VCC_36V_F: -49.276,-151.757 -43.402,-148.844
  rectangle net ISEN: -118.974,-311.048 -114.046,-306.857
  rectangle net ISEN: -144.094,-310.388 -140.767,-307.035
  rectangle net VCC_36V_F: -156.464,-312.191 -150.8,-287.122
  rectangle net ISEN: -143.993,-291.389 -113.36,-287.071
  rectangle net ISEN: -144.069,-311.76 -113.995,-308.61
  rectangle net ISEN: -144.094,-300.279 -113.335,-296.545
  region net GSA: -175.235,-327.508 -173.253,-327.508 -173.101,-327.355 -173.101,-314.706 -167.005,-308.61 -161.62,-308.61 -161.62,-303.784 -168.148,-303.784 -175.387,-311.023 -175.387,-327.355
  region net VCC_36V_IN: -59.741,-129.235 -52.476,-129.235 -51.486,-130.226 -51.486,-135.077 -47.015,-139.548 -42.164,-139.548 -41.25,-140.462 -41.25,-146.863 -42.316,-147.93 -48.235,-147.93 -50.063,-146.101 -50.063,-142.977 -56.82,-136.22 -59.741,-136.22
  region net GSB: -175.768,-327.609 -175.768,-309.626 -165.532,-299.39 -161.442,-299.39 -161.442,-293.853 -169.291,-293.853 -177.673,-302.235 -177.673,-327.457 -177.521,-327.609 -177.419,-327.609
  region net GSC: -178.359,-327.635 -177.927,-327.203 -177.927,-298.907 -170.307,-291.287 -161.341,-291.287 -161.341,-287.071 -177.521,-287.071 -180.315,-289.865 -180.315,-327.558 -180.238,-327.635

## Silkscreen, mask and mechanical layers (free items; w line width, h text height)
Top Overlay:
  text "Flow_Pump_V1.0" at 148.565,185.674 h1.02
  text "20241020" at 148.59,179.68 h1.02
  text "36V" at -56.818,-137.609 h1.02 r90
  text "G" at -49.53,-137.668 h1.02 r90
  text "G" at -45.466,-137.668 h1.02 r90
  text "36V" at -53.594,-137.922 h1.02 r90
  text "G" at -200.152,-199.136 h1.02 r90
  text "NC" at -196.85,-199.136 h1.02 r90
  text "G" at -185.674,-199.136 h1.02 r90
  text "NC" at -182.372,-199.136 h1.02 r90
  text "G" at -171.45,-199.136 h1.02 r90
  text "NC" at -168.148,-199.136 h1.02 r90
  text "1A" at -194.818,-199.39 h1.02 r90
  text "1B" at -192.532,-199.39 h1.02 r90
  text "NC" at -190.754,-199.39 h1.02 r90
  text "2A" at -180.34,-199.39 h1.02 r90
  text "2B" at -178.054,-199.39 h1.02 r90
  text "NC" at -176.276,-199.39 h1.02 r90
  text "3A" at -166.116,-199.39 h1.02 r90
  text "3B" at -163.83,-199.39 h1.02 r90
  text "NC" at -162.052,-199.39 h1.02 r90
  text "3.3V" at -184.276,-239.143 h1.52
  text "NC" at -228.016,-239.643 h1.02
  text "CLK" at -184.15,-241.554 h1.52
  text "NC" at -228.016,-241.643 h1.02
  text "NC" at -228.016,-243.643 h1.02
  text "G" at -183.66,-244.03 h1.52
  text "AO" at -228.016,-245.643 h1.02
  text "AGND" at -228.016,-247.643 h1.02
  text "AGND" at -228.016,-252.66 h1.02
  text "AI" at -228.016,-254.66 h1.02
  text "DI0" at -228.016,-256.66 h1.02
  text "DI1" at -228.016,-258.66 h1.02
  text "DI2" at -228.016,-263.836 h1.02
  text "DI3" at -228.016,-265.836 h1.02
  text "GND" at -228.016,-267.836 h1.02
  text "NC" at -228.016,-269.836 h1.02
  text "DI4" at -228.016,-274.948 h1.02
  text "DI5" at -228.016,-276.948 h1.02
  text "DI6" at -228.016,-278.948 h1.02
  text "GND" at -228.727,-280.949 h1.02
  text "B1" at -228.016,-292.951 h1.02
  text "A1" at -228.016,-294.951 h1.02
  text "B2" at -228.016,-296.951 h1.02
  text "A2" at -228.016,-298.951 h1.02
  text "W" at -178.635,-322.097 h1.02 r90
  text "V" at -176.135,-322.097 h1.02 r90
  text "U" at -173.635,-322.097 h1.02 r90
  text "GND" at -171.135,-322.097 h1.02 r90
  text "HW" at -168.635,-322.097 h1.02 r90
  text "HV" at -166.268,-322.097 h1.02 r90
  text "HU" at -163.551,-322.097 h1.02 r90
  text "5V" at -161.112,-322.097 h1.02 r90
  text "PE" at -181.153,-322.199 h1.02 r90
  text "EZ" at -212.623,-326.949 h1.02 r90
  text "EB" at -211.43,-326.949 h1.02 r90
  text "EA" at -210.236,-326.949 h1.02 r90
  text "GND" at -208.94,-326.949 h1.02 r90
  text "5V" at -207.747,-326.974 h1.02 r90
Top Solder:
  region: -175.235,-322.326 -173.253,-322.326 -173.253,-314.477 -167.756,-308.98 -161.62,-308.98 -161.62,-303.352 -167.97,-303.352 -175.235,-310.617
  region: -175.768,-322.326 -175.768,-308.864 -165.862,-298.958 -161.442,-298.958 -161.442,-293.853 -168.377,-293.853 -177.521,-302.997 -177.521,-322.326
  region: -178.359,-322.326 -178.359,-299.339 -168.986,-289.966 -146.812,-289.966 -146.634,-289.789 -146.634,-287.071 -177.521,-287.071 -180.238,-289.789 -180.238,-322.326
Mechanical 1:
  drawing of 14077 lines, arcs and shapes, not listed
  text "15,00" at 730.991,-190.942 h1.02
  text "15,00" at 649.144,-228.11 h1.02